# KiCad board BEEWATCH MK2.kicad_pcb
title: BEEWATCH MK2; date: 2025-04-24; rev: A; company: KRISHNAWA; note: KRISHNAWA.GITHUB.IO; note: Board2Pdf: L3 - Page 6/7
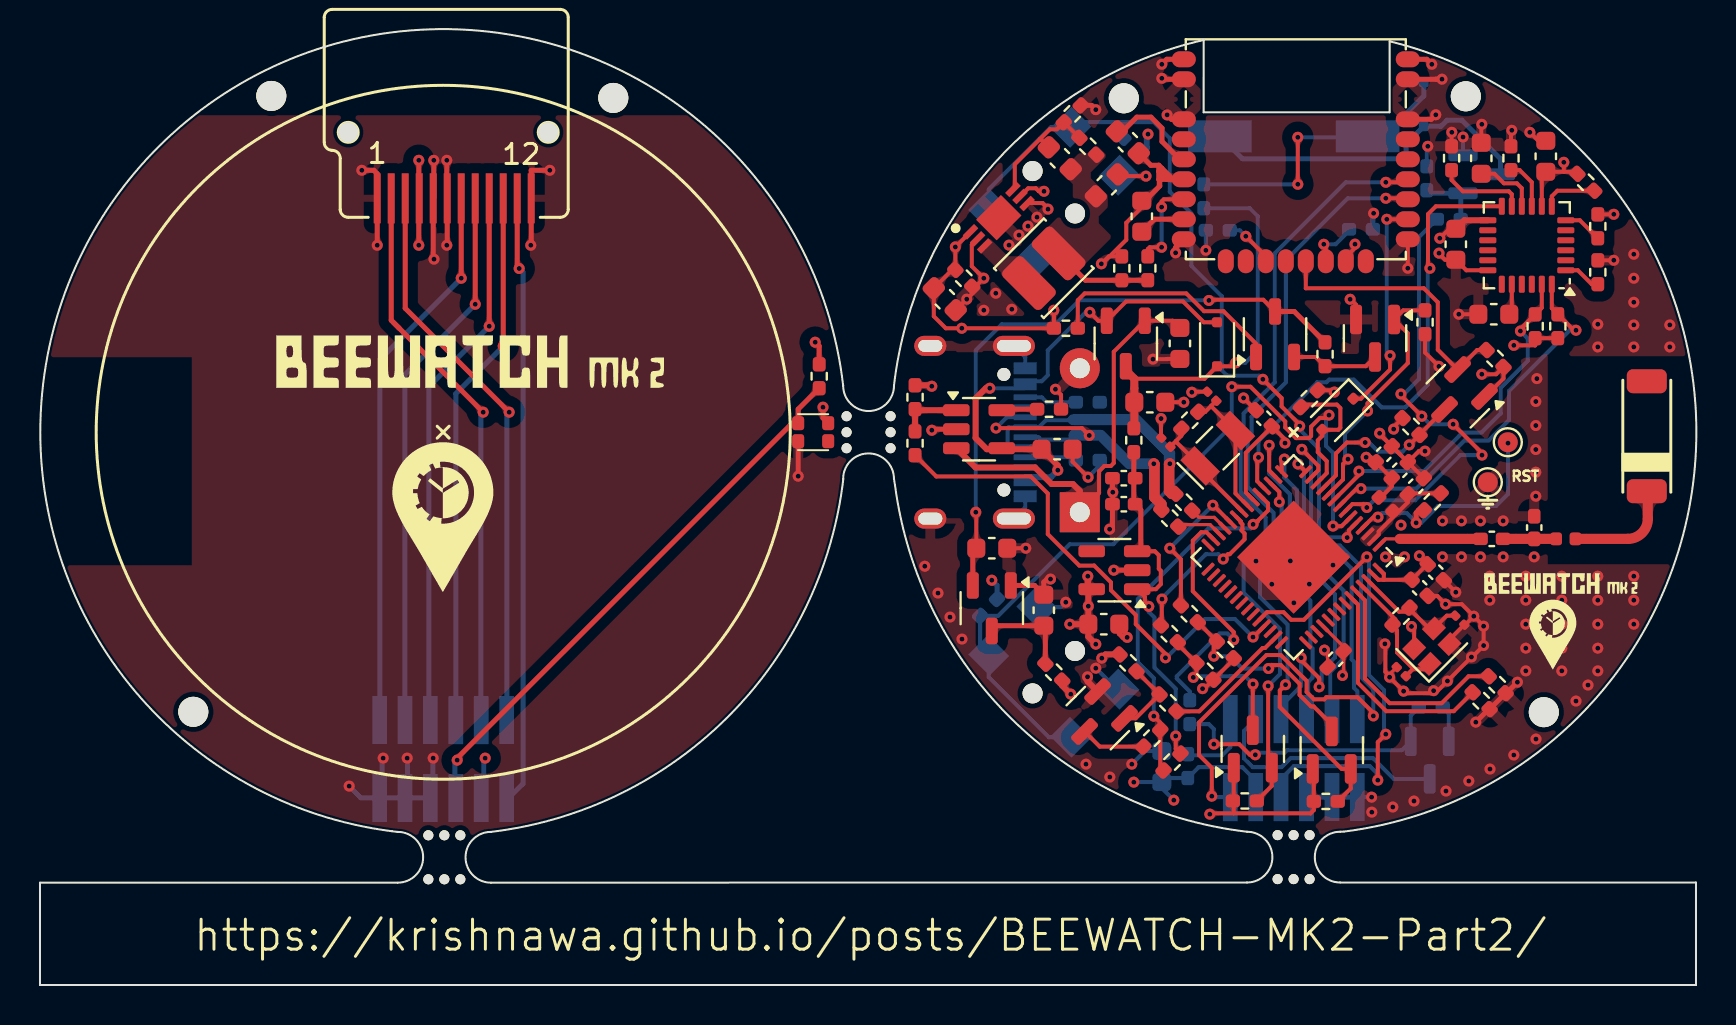
[diagram p0: board, top side]
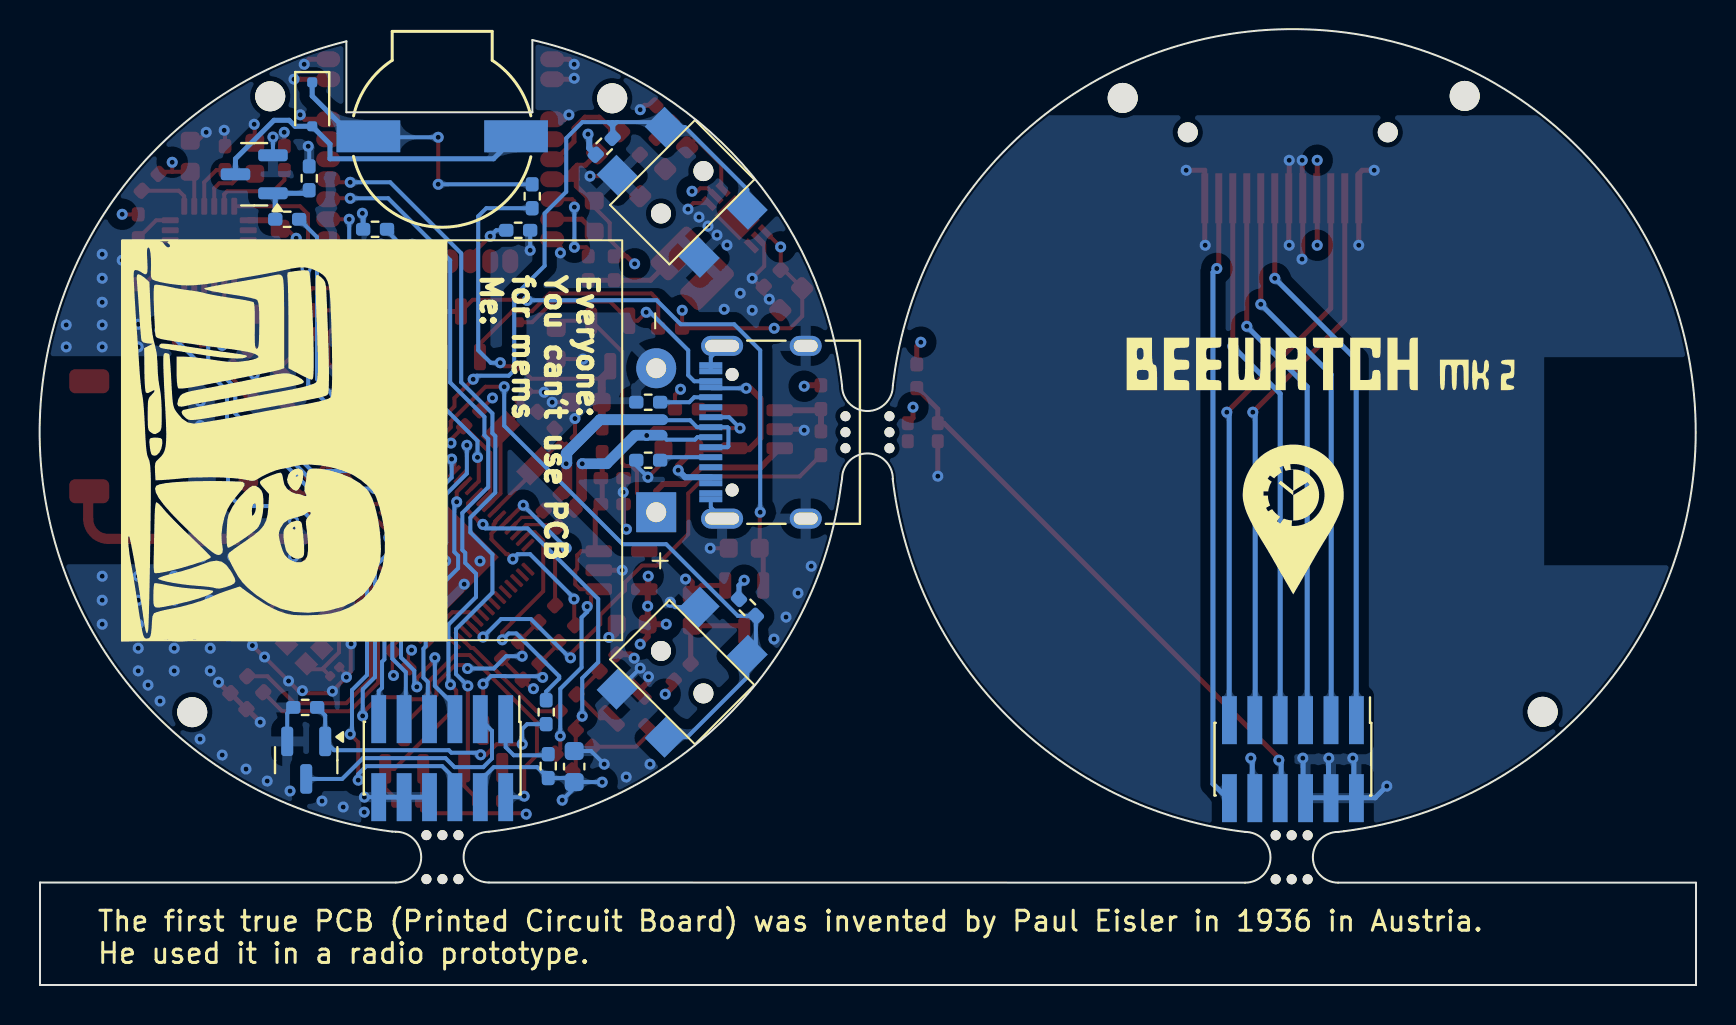
[diagram p1: board, bottom side, seen from below]

Outline 82.82 x 47.8 mm; copper layers: Top, In1.Cu (plane), In2.Cu (plane), Bottom. Coordinates in mm from the lower left corner of the outline.
Outline path: 17.89,7.65 17.6,7.69 arc(6,41.99) 40.16,29.97 ; 17.89,5.12 0,5.12 0,0 82.8,0 82.8,5.12 65.01,5.12 ; 22.55,5.12 60.35,5.12 ; 40.17,25.31 arc(34.42,13.43) 22.55,7.66 ; 42.7,29.97 arc(47.7,41.07) 58.18,47.26 58.18,43.64 67.48,43.64 67.48,47.19 arc(82.79,26.48) 65.2,7.67 65.01,7.66 ; 42.7,25.31 42.75,25.01 arc(48.57,13.31) 60.35,7.66
Stack: Top 0.035mm / dielectric 0.1mm FR4 er 4.5 / In1.Cu 0.035mm / dielectric 1.24mm FR4 er 4.5 / In2.Cu 0.035mm / dielectric 0.1mm FR4 er 4.5 / Bottom 0.035mm

## Placement (name value [footprint] x y rotation side)
AE1  CA-C03  [ESP32_ZERO_ANT]  80.39 27.54 180 top
BT1  3.7V 400mAh  [WLY902025]  53.79 27.44 270 bottom
BZ1  Buzzer  [CL9032A-CLDZ-SMD Passive Buzzer]  62.69 42.44 0 bottom
C1  14pF  [C_0201_0603Metric]  68.06 15.67 135 top
C2  14pF  [C_0201_0603Metric]  70.99 18.24 315 top
C3  12pF  [C_0201_0603Metric]  58.59 29.44 135 top
C4  12pF  [C_0201_0603Metric]  56.29 27.14 135 top
C5  1uF  [C_0402_1005Metric_Pad0.74x0.62mm_HandSolder]  68.98 19.86 315 top
C6  10nF  [C_0402_1005Metric_Pad0.74x0.62mm_HandSolder]  69.79 20.65 315 top
C7  10uF  [C_0402_1005Metric_Pad0.74x0.62mm_HandSolder]  67.19 26.54 45 top
C8  1uF  [C_0402_1005Metric_Pad0.74x0.62mm_HandSolder]  67.99 25.74 45 top
C9  0.1uF  [C_0402_1005Metric_Pad0.74x0.62mm_HandSolder]  68.79 24.94 45 top
C10  0.1uF  [C_0402_1005Metric_Pad0.74x0.62mm_HandSolder]  61.19 28.34 135 top
C11  0.1uF  [C_0402_1005Metric_Pad0.74x0.62mm_HandSolder]  64.78 16.29 225 top
C12  0R  [C_0402_1005Metric_Pad0.74x0.62mm_HandSolder]  72.59 22.31 0 top
C13  4.7nF  [C_0402_1005Metric_Pad0.74x0.62mm_HandSolder]  74.71 22.88 270 top
C14  10nF  [C_0603_1608Metric]  70.79 37.04 270 top
C15  0.1uF  [C_0603_1608Metric]  72.06 41.34 90 top
C16  2.2nF  [C_0603_1608Metric]  72.69 33.54 180 top
C17  0.1uF  [C_0603_1608Metric]  75.29 41.44 90 top
C18  0.1u  [C_0603_1608Metric]  56.09 10.92 90 bottom
C19  1uF  [C_0603_1608Metric]  50.86 26.79 0 top
C20  4.7uF  [C_0603_1608Metric]  56.99 32.09 270 top
C21  4.7uF  [C_0603_1608Metric]  55.49 29.14 0 top
C22  10uF  [C_0402_1005Metric_Pad0.74x0.62mm_HandSolder]  54.19 25.34 180 top
C23  0.1uF  [C_0402_1005Metric_Pad0.74x0.62mm_HandSolder]  54.19 24.04 180 top
C24  10uF  [C_0603_1608Metric]  53.19 18.04 0 top
C25  4.7uF  [C_0603_1608Metric]  45.24 34.3 315 top
C26  4.7uF  [C_0603_1608Metric]  55.09 38.44 90 top
C27  4.7uF  [C_0603_1608Metric]  54.39 42.14 315 top
C28  220pF  [C_0603_1608Metric]  50.99 41.34 135 top
C29  4.7uF  [C_0603_1608Metric]  53.34 39.99 225 top
C30  4.7uF  [C_0603_1608Metric]  50.19 18.74 90 top
C31  4.7uF  [C_0603_1608Metric]  47.59 21.84 0 top
D1  WS2812B-0807  [XL-0807RGBC-WS2812B]  38.66 27.65 0 top
D2  ZLLS410TA  [D_SOD-323F]  58.85 32.04 90 top
D3  ZLLS410TA  [D_SOD-323F]  64.89 28.54 225 top
D4  ZLLS410TA  [D_SOD-323F]  69.19 44.04 270 bottom
DS1  GC9A01  [GC9A01_BOTTOM]  20.16 27.64 0 top
G***  -  [LOGO]  75.84 19.89 0 top
G***#2  -  [LOGO]  20.14 22.91 0 top
G***#3  -  [LOGO]  21.04 30.71 0 top
G***#4  -  [LOGO]  75.64 17.29 0 top
G***#5  -  [LOGO]  20.14 22.79 180 bottom
G***#6  -  [LOGO]  19.24 30.59 180 bottom
J1  USB_C_Receptacle_USB2.0_16P  [USB_C_Receptacle_XKB_U262-16XN-4BVC11]  45.59 27.64 90 bottom
J3  Conn_02x06_Odd_Even  [PinHeader_2x06_P1.27mm_Vertical_SMD]  62.69 11.34 270 bottom
J4  Conn_02x06_Odd_Even  [PinHeader_2x06_P1.27mm_Vertical_SMD]  20.16 11.29 270 bottom
L1  2nH  [L_0402_1005Metric]  67.29 24.04 135 top
L2  5.6nH  [L_0402_1005Metric]  76.29 22.31 0 top
L3  3.3uH  [L_Cenker_CKCS3012]  50.19 35.84 45 top
meme_2  LOGO  [meme_2]  70.59 27.24 270 bottom
mouse-bite-2.54mm-slot  VAL**  [mouse-bite-2.54mm-slot]  20.22 6.39 180 top
mouse-bite-2.54mm-slot#2  VAL**  [mouse-bite-2.54mm-slot]  41.43 27.64 90 top
mouse-bite-2.54mm-slot#3  VAL**  [mouse-bite-2.54mm-slot]  62.68 6.39 180 top
NOREF  -  [unnamed]  71.29 44.44 0 top
NOREF#2  -  [unnamed]  75.19 13.64 0 top
NOREF#3  -  [unnamed#2]  54.15 44.38 0 top
NOREF#4  -  [unnamed]  28.67 44.36 180 bottom
NOREF#5  -  [unnamed]  11.57 44.46 180 bottom
NOREF#6  -  [unnamed]  7.67 13.66 180 bottom
Q1  DMG6968U  [SOT-23]  72.09 40.54 0 bottom
Q2  DMG6968U  [SOT-23]  69.49 11.24 270 bottom
Q3  DMP1045U-7  [SOT-23-3]  54.29 32.08 270 top
Q4  DMG6968U  [SOT-23]  66.75 32.34 270 top
Q5  BSS138  [SOT-23]  60.64 11.81 90 top
Q6  BSS138  [SOT-23]  64.59 11.74 90 top
Q7  BSS138  [SOT-23]  70.89 29.44 225 top
Q8  DMP1045U-7  [SOT-23-3]  61.75 32.54 90 top
Q9  DMG6968U  [SOT-23]  52.89 13.34 225 top
R1  5K1  [R_0402_1005Metric_Pad0.72x0.64mm_HandSolder]  52.39 26.24 0 bottom
R2  5K1  [R_0402_1005Metric_Pad0.72x0.64mm_HandSolder]  52.39 29.14 0 bottom
R3  10K  [R_0402_1005Metric_Pad0.72x0.64mm_HandSolder]  54.59 41.94 315 bottom
R4  5M  [R_0402_1005Metric_Pad0.72x0.64mm_HandSolder]  57.49 28.24 225 top
R5  10K  [R_0402_1005Metric_Pad0.72x0.64mm_HandSolder]  47.43 18.88 45 bottom
R6  1K  [R_0402_1005Metric_Pad0.72x0.64mm_HandSolder]  38.96 30.44 90 top
R7  22  [R_0402_1005Metric_Pad0.72x0.64mm_HandSolder]  57.19 24.14 315 top
R8  22  [R_0402_1005Metric_Pad0.72x0.64mm_HandSolder]  56.49 23.34 315 top
R9  100  [R_0402_1005Metric_Pad0.72x0.64mm_HandSolder]  70.44 38.29 0 bottom
R10  47K  [R_0402_1005Metric_Pad0.72x0.64mm_HandSolder]  69.34 40.34 270 bottom
R11  4.7K  [R_0402_1005Metric_Pad0.72x0.64mm_HandSolder]  75.89 32.95 270 top
R12  4.7K  [R_0402_1005Metric_Pad0.72x0.64mm_HandSolder]  74.76 32.94 270 top
R13  0  [R_0402_1005Metric_Pad0.72x0.64mm_HandSolder]  70.58 41.35 270 top
R14  0  [R_0402_1005Metric_Pad0.72x0.64mm_HandSolder]  77.89 35.64 270 top
R15  4.7K  [R_0402_1005Metric_Pad0.72x0.64mm_HandSolder]  77.89 37.94 90 top
R16  4.7K  [R_0402_1005Metric_Pad0.72x0.64mm_HandSolder]  77.29 40.14 135 top
R17  10K  [R_0402_1005Metric_Pad0.72x0.64mm_HandSolder]  57.49 13.64 270 bottom
R18  1M  [R_0402_1005Metric_Pad0.72x0.64mm_HandSolder]  69.54 13.88 0 bottom
R19  22  [R_0402_1005Metric_Pad0.72x0.64mm_HandSolder]  57.39 10.95 270 bottom
R20  22K  [R_0402_1005Metric_Pad0.72x0.64mm_HandSolder]  50.46 28.79 0 top
R21  220  [R_0402_1005Metric_Pad0.72x0.64mm_HandSolder]  43.75 27.09 270 top
R22  220  [R_0402_1005Metric_Pad0.72x0.64mm_HandSolder]  43.75 29.39 90 top
R23  5M  [R_0402_1005Metric_Pad0.72x0.64mm_HandSolder]  68.05 18.45 45 top
R24  10K  [R_0402_1005Metric_Pad0.72x0.64mm_HandSolder]  64.25 31.54 90 top
R25  1M  [R_0402_1005Metric_Pad0.72x0.64mm_HandSolder]  46.19 35.34 135 top
R26  100K  [R_0402_1005Metric_Pad0.72x0.64mm_HandSolder]  51.61 43.57 225 top
R27  51K  [R_0402_1005Metric_Pad0.72x0.64mm_HandSolder]  52.39 41.94 315 top
R28  0  [R_0402_1005Metric_Pad0.72x0.64mm_HandSolder]  54.09 35.84 270 top  (not fitted)
R29  0  [R_0402_1005Metric_Pad0.72x0.64mm_HandSolder]  58.89 37.74 0 bottom
R30  0  [R_0402_1005Metric_Pad0.72x0.64mm_HandSolder]  66.05 37.79 180 bottom
R31  10K  [R_0402_1005Metric_Pad0.72x0.64mm_HandSolder]  60.24 9.21 180 top
R32  10K  [R_0402_1005Metric_Pad0.72x0.64mm_HandSolder]  64.29 9.18 180 top
R33  10K  [R_0402_1005Metric_Pad0.72x0.64mm_HandSolder]  72.75 31.33 315 top
R34  10K  [R_0402_1005Metric_Pad0.72x0.64mm_HandSolder]  58.25 15.69 315 top
R35  K10K  [R_0402_1005Metric_Pad0.72x0.64mm_HandSolder]  59.27 16.77 315 top
R36  K10K  [R_0402_1005Metric_Pad0.72x0.64mm_HandSolder]  68.55 27.93 135 top
R37  10K  [R_0402_1005Metric_Pad0.72x0.64mm_HandSolder]  63.47 29.32 225 top
R38  0  [R_0402_1005Metric_Pad0.72x0.64mm_HandSolder]  56.47 17.57 135 top
R39  0  [R_0402_1005Metric_Pad0.72x0.64mm_HandSolder]  57.47 18.57 135 top
R40  1K  [R_0402_1005Metric_Pad0.72x0.64mm_HandSolder]  69.61 24.17 45 top
R41  0  [R_0402_1005Metric_Pad0.72x0.64mm_HandSolder]  51.29 32.84 0 top
R42  0  [R_0402_1005Metric_Pad0.72x0.64mm_HandSolder]  73.55 41.35 270 top
R43  0  [R_0402_1005Metric_Pad0.72x0.64mm_HandSolder]  50.69 15.64 135 top
R44  10K  [R_0402_1005Metric_Pad0.72x0.64mm_HandSolder]  56.6 11.15 225 top
R45  10K  [R_0402_1005Metric_Pad0.72x0.64mm_HandSolder]  55.59 12.34 225 top
R46  100  [R_0402_1005Metric_Pad0.72x0.64mm_HandSolder]  56.4 14.11 135 top
R47  10K  [R_0402_1005Metric_Pad0.72x0.64mm_HandSolder]  54.4 16.11 135 top
R48  0  [R_0402_1005Metric_Pad0.72x0.64mm_HandSolder]  54.69 27.24 270 top
R49  0  [R_0402_1005Metric_Pad0.72x0.64mm_HandSolder]  55.39 35.84 90 top
R50  10K  [R_0402_1005Metric_Pad0.72x0.64mm_HandSolder]  69.25 33.14 90 top
R51  0  [R_0402_1005Metric_Pad0.72x0.64mm_HandSolder]  72.06 14.22 315 top
R52  0  [R_0402_1005Metric_Pad0.72x0.64mm_HandSolder]  72.86 15.02 135 top
R53  0  [R_0402_1005Metric_Pad0.72x0.64mm_HandSolder]  58.19 39.44 90 bottom
SW1  TK-074-4  [Tact Switch-TK-074-4 Pin SMD]  50.69 39.64 315 bottom
SW2  TK-074-4  [Tact Switch-TK-074-4 Pin SMD]  50.69 15.64 45 bottom
TP1  TestPoint  [TestPoint_Pad_D1.0mm]  73.39 27.14 180 top
TP2  TestPoint  [TestPoint_Pad_D1.0mm]  72.39 25.14 0 top
U1  ESP32-S3FH4R2  [QFN-56-1EP_7x7mm_P0.4mm_EP4x4mm]  62.68 21.39 225 top
U2  LTC3549EDCB#TRMPBF  [SON50P300X200X80-7N-D]  47.94 38.37 45 top
U3  MPU-6050  [InvenSense_QFN-24_4x4mm_P0.5mm]  74.34 36.99 180 top
U4  MCP73832-2-OT  [SOT-23-5]  46.95 27.79 0 top
U5  ME6217C33M5G  [SOT-23-5]  53.72 20.74 180 top
U7  -  [RYS8830]  62.69 40.29 0 top
U8  S-1206B18-M3T1G  [SOT-23-3]  47.59 18.84 270 top
Y1  40MHz  [Crystal_SMD_2016-4Pin_2.0x1.6mm]  69.59 16.94 45 top
Y2  32.768KHz  [Crystal_SMD_EuroQuartz_EQ161-2Pin_3.2x1.5mm]  58.89 26.84 45 top

## Library data of the parts
AE1 = -: Description: Ceramic chip antenna with pin for PCB trace
BT1 = -: Description: Single-cell battery
BZ1 = -: Description: Buzzer, polarized; ki_fp_filters: *Buzzer*
C1-C31 = -: Description: Unpolarized capacitor, small symbol; ki_fp_filters: C_*
D2-D4 = -: Description: Schottky diode; ki_fp_filters: TO-???* *_Diode_* *SingleDiode* D_*
J1 = -: Datasheet: https://www.usb.org/sites/default/files/documents/usb_type-c.zip; Description: USB 2.0-only 16P Type-C Receptacle connector; ki_fp_filters: USB*C*Receptacle*
J3 J4 = -: Description: Generic connector, double row, 02x06, odd/even pin numbering scheme (row 1 odd numbers, row 2 even numbers), script generated (kicad-library-utils/schlib/autogen/connector/); ki_fp_filters: Connector*:*_2x??_*
L1 = -: Description: Inductor, small symbol; ki_fp_filters: Choke_* *Coil* Inductor_* L_*
L2 = -: Description: Inductor; ki_fp_filters: Choke_* *Coil* Inductor_* L_*
L3 = -: Datasheet: https://www.mouser.in/datasheet/2/396/wound04_e-1290968.pdf; Description: Inductor; MPN: NRH2410T3R3MN; ki_fp_filters: Choke_* *Coil* Inductor_* L_*
Q1 Q2 Q4 Q9 = -: Datasheet: http://www.diodes.com/assets/Datasheets/DMG2302U.pdf; Description: 4.2A Id, 20V Vds, N-Channel MOSFET, SOT-23; ki_fp_filters: SOT?23*
Q5-Q7 = -: Datasheet: https://www.onsemi.com/pub/Collateral/BSS138-D.PDF; Description: 50V Vds, 0.22A Id, N-Channel MOSFET, SOT-23; ki_fp_filters: SOT?23*
R1-R3 R5-R22 R26-R30 R38-R40 R42-R49 R51 R52 = -: Description: Resistor, small symbol; ki_fp_filters: R_*
R4 R23-R25 R31-R37 R41 R50 R53 = -: Description: Resistor; ki_fp_filters: R_*
SW1 SW2 = -: Datasheet: https://robu.in/product/tact-switch-tk-074-4-pin-smd/
TP1 TP2 = -: Description: test point; ki_fp_filters: Pin* Test*
U1 = -: Datasheet: https://www.espressif.com/sites/default/files/documentation/esp32-s3_datasheet_en.pdf; Description: Microcontroller, Wi-Fi 802.11b/g/n, Bluetooth, 32bit; ki_fp_filters: QFN*1EP*7x7mm*P0.4mm*
U2 = -: Datasheet: Datasheet https://www.analog.com/media/en/technical-documentation/data-sheets/3549f.pdf 0 0 Left Top 0 0  Description Linear Technology LTC3549EDCB#TRMPBF, Step Down Buck Boost Switching Regulator, 250mA, Adjustable 0 0 Center Center 0 0  Height 0.8 0 0 Left Top 0 0  Mouser Part Number 584-C3549EDCBTRMPBF 0 0 Left Top 0 0  Mouser Price/Stock https://www.mouser.co.uk/ProductDetail/Analog-Devices/LTC3549EDCBTRMPBF?qs=hVkxg5c3xu%2Ft3z%252BtqK2sZA%3D%3D 0 0 Left Top 0 0  Manufacturer_Name Analog Devices 0 0 Left Top 0 0  Manufacturer_Part_Number LTC3549EDCB#TRMPBF 0 0 Left Top 0 0
U3 = -: Datasheet: https://invensense.tdk.com/wp-content/uploads/2015/02/MPU-6000-Datasheet1.pdf; Description: InvenSense 6-Axis Motion Sensor, Gyroscope, Accelerometer, I2C; ki_fp_filters: *QFN*4x4mm*P0.5mm*
U4 = -: Datasheet: http://ww1.microchip.com/downloads/en/DeviceDoc/20001984g.pdf; Description: Single cell, Li-Ion/Li-Po charge management controller, 4.20V, Open-Drain Status Output, in SOT23-5 package; ki_fp_filters: SOT?23*
U5 = -: Datasheet: https://www.lcsc.com/datasheet/lcsc_datasheet_1912111437_MICRONE-Nanjing-Micro-One-Elec-ME6217C33M5G_C427602.pdf
U7 = -: Datasheet: https://reyax.com//upload/products_download/download_file/RYS8830.pdf
Y2 = -: Description: Two pin crystal; ki_fp_filters: Crystal*

## Footprints (pads in the part's own frame, mm; a bottom-side part is the same pattern mirrored in y, then rotated)
C_0201_0603Metric
  rrect 0.318x0.36 smd: (-0.345,0) (0.345,0)
  rrect 0.46x0.4 smd: 1(-0.32,0) 2(0.32,0)
C_0402_1005Metric_Pad0.74x0.62mm_HandSolder
  rrect 0.735x0.62 smd: 1(-0.568,0) 2(0.568,0)
C_0603_1608Metric
  rrect 0.9x0.95 smd: 1(-0.775,0) 2(0.775,0)
CL9032A-CLDZ-SMD Passive Buzzer
  rect 3.185x1.6 smd: 1(3.692,0) 2(-3.692,0)
Crystal_SMD_2016-4Pin_2.0x1.6mm
  rect 0.9x0.8 smd: 1(-0.7,-0.55) 2(0.7,-0.55) 3(0.7,0.55) 4(-0.7,0.55)
Crystal_SMD_EuroQuartz_EQ161-2Pin_3.2x1.5mm
  rect 1x1.8 smd: 1(-1.25,0) 2(1.25,0)
D_SOD-323F
  rrect 0.5x0.5 smd: 1(-1.1,0) 2(1.1,0)
ESP32_ZERO_ANT
  rrect 2x1.2 smd: 1(0.05,2.85) 2(0.05,-2.65)
GC9A01_BOTTOM
  round 1 hole 1 unplated: (-4.749,15) (5.251,15)
  rect 0.35x2.5 smd: 1(-3.299,11.7) 2(-2.599,11.7) 3(-1.899,11.7) 4(-1.199,11.7) 5(-0.499,11.7) 6(0.201,11.7) 7(0.901,11.7) 8(1.601,11.7) 9(2.301,11.7) 10(3.001,11.7) 11(3.701,11.7) 12(4.401,11.7)
InvenSense_QFN-24_4x4mm_P0.5mm
  rrect 0.85x0.3 smd: 1(-1.95,1.25) 2(-1.95,0.75) 3(-1.95,0.25) 4(-1.95,-0.25) 5(-1.95,-0.75) 6(-1.95,-1.25) 13(1.95,-1.25) 14(1.95,-0.75) 15(1.95,-0.25) 16(1.95,0.25) 17(1.95,0.75) 18(1.95,1.25)
  rrect 0.3x0.85 smd: 7(-1.25,-1.95) 8(-0.75,-1.95) 9(-0.25,-1.95) 10(0.25,-1.95) 11(0.75,-1.95) 12(1.25,-1.95) 19(1.25,1.95) 20(0.75,1.95) 21(0.25,1.95) 22(-0.25,1.95) 23(-0.75,1.95) 24(-1.25,1.95)
L_0402_1005Metric
  rrect 0.59x0.64 smd: 1(-0.485,0) 2(0.485,0)
L_Cenker_CKCS3012
  rrect 1.4x2.7 smd: 1(-1.05,0) 2(1.05,0)
mouse-bite-2.54mm-slot
  round 0.5 hole 0.5 unplated: (-0.8,1.1) (-0.8,-1.1) (0,1.1) (0,-1.1) (0.8,1.1) (0.8,-1.1)
PinHeader_2x06_P1.27mm_Vertical_SMD
  rect 2.4x0.74 smd: 1(-1.95,3.175) 2(1.95,3.175) 3(-1.95,1.905) 4(1.95,1.905) 5(-1.95,0.635) 6(1.95,0.635) 7(-1.95,-0.635) 8(1.95,-0.635) 9(-1.95,-1.905) 10(1.95,-1.905) 11(-1.95,-3.175) 12(1.95,-3.175)
QFN-56-1EP_7x7mm_P0.4mm_EP4x4mm
  rrect 1.07x1.07 smd: (-1.33,1.33) (-1.33,0) (-1.33,-1.33) (0,1.33) (0,0) (0,-1.33) (1.33,1.33) (1.33,0) (1.33,-1.33)
  rrect 0.8x0.2 smd: 1(-3.45,2.6) 2(-3.45,2.2) 3(-3.45,1.8) 4(-3.45,1.4) 5(-3.45,1) 6(-3.45,0.6) 7(-3.45,0.2) 8(-3.45,-0.2) 9(-3.45,-0.6) 10(-3.45,-1) 11(-3.45,-1.4) 12(-3.45,-1.8) 13(-3.45,-2.2) 14(-3.45,-2.6) 29(3.45,-2.6) 30(3.45,-2.2) 31(3.45,-1.8) 32(3.45,-1.4) 33(3.45,-1) 34(3.45,-0.6) 35(3.45,-0.2) 36(3.45,0.2) 37(3.45,0.6) 38(3.45,1) 39(3.45,1.4) 40(3.45,1.8) 41(3.45,2.2) 42(3.45,2.6)
  rrect 0.2x0.8 smd: 15(-2.6,-3.45) 16(-2.2,-3.45) 17(-1.8,-3.45) 18(-1.4,-3.45) 19(-1,-3.45) 20(-0.6,-3.45) 21(-0.2,-3.45) 22(0.2,-3.45) 23(0.6,-3.45) 24(1,-3.45) 25(1.4,-3.45) 26(1.8,-3.45) 27(2.2,-3.45) 28(2.6,-3.45) 43(2.6,3.45) 44(2.2,3.45) 45(1.8,3.45) 46(1.4,3.45) 47(1,3.45) 48(0.6,3.45) 49(0.2,3.45) 50(-0.2,3.45) 51(-0.6,3.45) 52(-1,3.45) 53(-1.4,3.45) 54(-1.8,3.45) 55(-2.2,3.45) 56(-2.6,3.45)
  rect 4x4 smd: 57(0,0)
R_0402_1005Metric_Pad0.72x0.64mm_HandSolder
  rrect 0.715x0.64 smd: 1(-0.598,0) 2(0.598,0)
RYS8830
  oval 1.2x0.8 smd: 1(-5.5,3) 2(-5.5,2) 3(-5.5,1) 4(-5.5,0) 5(-5.5,-1) 6(-5.5,-2) 7(-5.5,-3) 16(5.7,-3) 17(5.7,-2) 18(5.7,-1) 19(5.7,0) 20(5.7,1) 21(5.7,2) 22(5.7,3) G1(-5.5,6) G2(-5.5,5) G3(5.7,5) G4(5.7,6)
  oval 0.8x1.2 smd: 8(-3.4,-4.1) 9(-2.4,-4.1) 10(-1.4,-4.1) 11(-0.4,-4.1) 12(0.6,-4.1) 13(1.6,-4.1) 14(2.6,-4.1) 15(3.6,-4.1)
SON50P300X200X80-7N-D
  rect 0.8x0.3 smd: 1(-1.5,0.5) 2(-1.5,0) 3(-1.5,-0.5) 4(1.5,-0.5) 5(1.5,0) 6(1.5,0.5)
  rect 1.75x1.45 smd: 7(0,0)
SOT-23
  rrect 1.475x0.6 smd: 1(-0.938,0.95) 2(-0.938,-0.95) 3(0.938,0)
SOT-23-3
  rrect 1.325x0.6 smd: 1(-1.137,0.95) 2(-1.137,-0.95) 3(1.137,0)
SOT-23-5
  rrect 1.325x0.6 smd: 1(-1.137,0.95) 2(-1.137,0) 3(-1.137,-0.95) 4(1.137,-0.95) 5(1.137,0.95)
Tact Switch-TK-074-4 Pin SMD
  round 1 hole 1 unplated: (-1.5,0) (1.5,0)
  rect 1.4x1.5 smd: 1(-1.7,2.9) 2(-1.7,-2.9) 3(1.7,2.9) 4(1.7,-2.9)
TestPoint_Pad_D1.0mm
  round 1 smd: 1(0,0)
unnamed
  round 1.5 hole 1.5 unplated: (0,0)
unnamed#2
  round 1.5 hole 1.5 unplated: (0.045,-0.04)
USB_C_Receptacle_XKB_U262-16XN-4BVC11
  round 0.65 hole 0.65 unplated: (-2.89,2.605) (2.89,2.605)
  rect 0.3x1.15 smd: A1(-3.35,3.67) A4(-2.55,3.67) A5(-1.25,3.67) A6(-0.25,3.67) A7(0.25,3.67) A8(1.25,3.67) A9(2.55,3.67) A12(3.35,3.67) B1(3.05,3.67) B4(2.25,3.67) B5(1.75,3.67) B6(0.75,3.67) B7(-0.75,3.67) B8(-1.75,3.67) B9(-2.25,3.67) B12(-3.05,3.67)
  oval 1x1.6 hole 0.6x1.2: S1(-4.32,-1.075) S1(4.32,-1.075)
  oval 1x2.1 hole 0.6x1.7: S1(-4.32,3.105) S1(4.32,3.105)
WLY902025
  rect 2x2 hole 1: 1(3.8,1.8)
  round 2 hole 1: 2(-3.4,1.8)
XL-0807RGBC-WS2812B
  rrect 0.6x0.7 smd: 1(0.75,0.45) 2(-0.75,0.45) 3(-0.75,-0.45) 4(0.75,-0.45)

## Nets
+1V8: C31.1 Q8.3 R24.2 U8.2
+3.3V: C5.1 C6.1 C7.1 C8.1 C10.1 C11.1 C14.1 C17.1 C18.1 C24.1 J3.4 L1.2 R3.2 R5.2 R11.2 R12.2 R15.2 R16.2 R19.2 R22.2 R34.2 R35.2 R36.2 R37.1 R43.1 U1.20 U1.46 U1.55 U1.56 U3.8 U3.13 U5.5
+VBAT: C21.1 D2.1 Q3.3 R48.1 R53.1
/Battery&BMS/+3V3_IN: C30.1 R43.2 U8.3
/Battery&BMS/+VBAT_IN: C22.1 C23.1 R44.1 R48.2 U5.1 U5.3
/Battery&BMS/VBAT: BT1.1 C20.1 Q3.1 U4.3
/Display board/3V3: D1.1 DS1.4 J4.10 R6.2
/RYS8830/+0.92V: C28.1 C29.2 L3.2 R27.2 R28.2 R49.1
GND: BT1.2 C1.2 C2.2 C3.2 C4.2 C5.2 C6.2 C7.2 C8.2 C9.2 C10.2 C11.2 C13.1 C14.2 C15.2 C16.2 C17.2 C18.2 C19.2 C20.2 C21.2 C22.2 C23.2 C24.2 C25.2 C29.1 C30.2 C31.2 J1.A1 J1.A12 J1.B1 J1.B12 J1.S1 J3.8 J3.10 J3.12 Q1.2 Q2.2 Q4.2 Q9.2 R1.2 R2.2 R10.1 R13.1 R14.1 R18.2 R20.2 R25.1 R26.1 R29.1 R30.1 R42.1 R47.2 R50.1 R51.2 R52.1 SW1.3 SW1.4 SW2.3 SW2.4 TP2.1 U1.57 U2.2 U2.4 U2.7 U3.18 U4.2 U5.2 U7.1 U7.7 U7.16 U7.22 U7.G1 U7.G2 U7.G3 U7.G4 U8.1 Y1.2 Y1.4
VBUS: C19.1 D2.2 J1.A4 J1.A9 J1.B4 J1.B9 Q3.2 U4.4
VDD3P3_RTC: C9.1 L1.1 R40.2 U1.2 U1.3
/ACCELEROMETER/MPU_INT: U1.18 U3.12
/ACCELEROMETER/MPU_SCL: R12.1 U1.9 U3.23
/ACCELEROMETER/MPU_SDA: R11.1 U1.8 U3.24
/Battery&BMS/BAT_SENSE_EN: R46.1 U1.41
/Battery&BMS/CHG_ST: R21.2 U1.39
/Display board/_GND: D1.3 DS1.1 DS1.5 DS1.6 DS1.12 J4.2 J4.4 J4.6
/Display board/_LED: D1.2 J4.8 R6.1
/Display board/CS: DS1.8 J4.3
/Display board/D/C: DS1.7 J4.1
/Display board/LED_A: DS1.3 J4.11
/Display board/LED_K: DS1.2 J4.9
/Display board/RST: DS1.11 J4.12
/Display board/SCK: DS1.9 J4.5
/Display board/SDI: DS1.10 J4.7
/Display/LED: J3.6 U1.38
/Display/TFT_CS: J3.9 U1.15
/Display/TFT_D/C: J3.11 U1.14
/Display/TFT_LED_PIN: R17.1 U1.27
/Display/TFT_LEDA: J3.1 R19.1
/Display/TFT_LEDK: J3.3 Q2.3
/Display/TFT_RST: J3.2 U1.13
/Display/TFT_SCK: J3.7 U1.17
/Display/TFT_SDI: J3.5 U1.16
/ESP32/BAT_VSENSE: R44.2 R45.1 U1.19
/ESP32/BUZZER_EN: R9.1 U1.7
/ESP32/D+: J1.A6 J1.B6 R8.1
/ESP32/D-: J1.A7 J1.B7 R7.1
/ESP32/GPS_EN: Q4.1 R50.2 U1.10
/ESP32/GPS_PSS: D3.2 R37.2 U1.12
/ESP32/GPS_RST: Q7.3 R36.1 U1.11
/ESP32/GPS_RXD: R39.2 U1.24
/ESP32/GPS_TXD: R38.2 U1.23
/ESP32/IO0: R3.1 SW1.1 SW1.2 U1.5
/ESP32/IO1: R5.1 SW2.1 SW2.2 U1.6
/ESP32/USB_D+: R8.2 U1.26
/ESP32/USB_D-: R7.2 U1.25
/ESP32/XTAL_32K_N: C4.1 R4.2 U1.22 Y2.1
/ESP32/XTAL_32K_P: C3.1 R4.1 U1.21 Y2.2
/ESP32/XTAL_N: C1.1 R23.1 U1.53 Y1.1
/ESP32/XTAL_P: C2.1 R23.2 U1.54 Y1.3
/RYS8830/FB: C28.2 R26.2 R27.1 U2.6
/RYS8830/GNSS_+1.8V: C25.1 C26.2 C27.2 Q5.1 Q6.1 Q7.1 R25.2 R28.1 R31.2 R32.2 R33.2 R41.1 U2.1 U2.5 U7.4 U7.14
/RYS8830/PPS: D3.1 U7.17
/RYS8830/RXD: Q5.2 R31.1 U7.19
/RYS8830/SW: L3.1 U2.3
/RYS8830/TXD: Q6.2 R32.1 U7.18
GNSS_+1V8: Q8.1 R41.2
Net-(AE1-FEED): AE1.1 L2.2
Net-(BZ1-+): BZ1.1 D4.1 R53.2
Net-(BZ1--): BZ1.2 D4.2 Q1.3
Net-(C12-Pad2): C12.2 C13.2 L2.1
Net-(J1-CC1): J1.A5 R1.1
Net-(J1-CC2): J1.B5 R2.1
Net-(Q1-G): Q1.1 R9.2 R10.2
Net-(Q2-G): Q2.1 R17.2 R18.1
Net-(Q4-D): Q4.3 Q8.2 R24.1
Net-(Q5-D): Q5.3 R34.1 R38.1
Net-(Q6-D): Q6.3 R35.1 R39.1
Net-(Q7-S): Q7.2 R33.1 U7.12
Net-(Q9-D): Q9.3 R45.2
Net-(Q9-G): Q9.1 R46.2 R47.1
Net-(U1-CHIP_PU): R40.1 TP1.1 U1.4
Net-(U1-GPIO45): R51.1 U1.51
Net-(U1-GPIO46): R52.2 U1.52
Net-(U1-LNA_IN): C12.1 U1.1
Net-(U3-AD0): R42.2 U3.9
Net-(U3-AUX_CL): R16.1 U3.7
Net-(U3-AUX_DA): R15.1 U3.6
Net-(U3-CLKIN): R14.2 U3.1
Net-(U3-CPOUT): C16.1 U3.20
Net-(U3-FSYNC): R13.2 U3.11
Net-(U3-REGOUT): C15.1 U3.10
Net-(U4-PROG): R20.1 U4.5
Net-(U4-STAT): R21.1 R22.1 U4.1
Net-(U7-LDO1_OUT): C26.1 U7.6
Net-(U7-LDO2_OUT): C27.1 U7.3
Net-(U7-LDO_IN): R49.2 U7.5
Net-(U7-P06/BOOT_REC): R29.2 U7.10
Net-(U7-RTC_CLK_IN): R30.2 U7.13

Pads without a net: AE1 2; D1 4; J1 A8 B8; U1 28 29 30 31 32 33 34 35 36 37 40 42 43 44 45 47 48 49 50; U3 2 3 4 5 14 15 16 17 19 21 22; U5 4; U7 2 8 9 11 15 20 21